# Altium PCB PCB1.PcbDoc
Units mil, origin at the board's own origin, x right, y up, seen from the top; angles counter-clockwise.
Board outline 2698.82 x 2101.51 mil, 2 copper layers (Top Layer, Bottom Layer), stack 61.756 mil thick; 33 components, 52 nets, 193 pads, 397 vias.
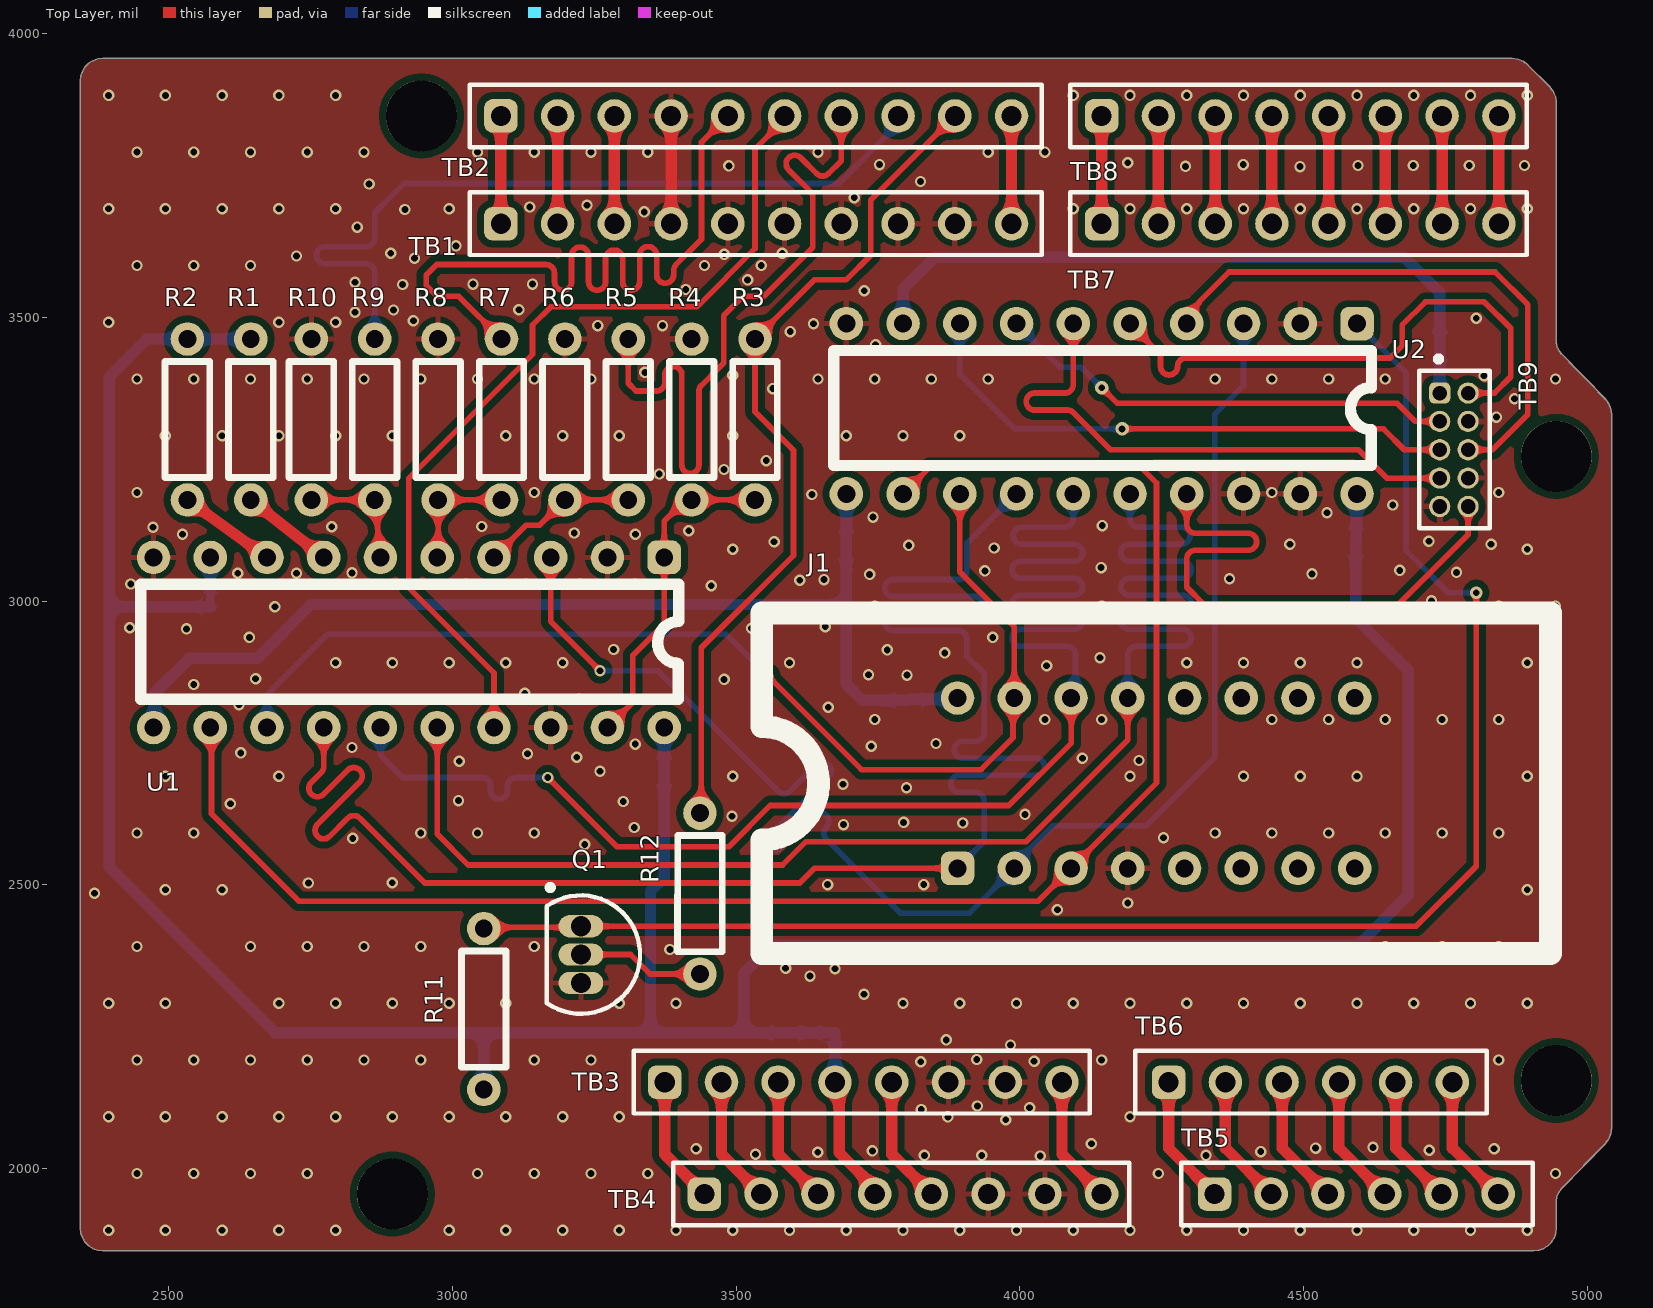
[diagram p0: Top Layer view]
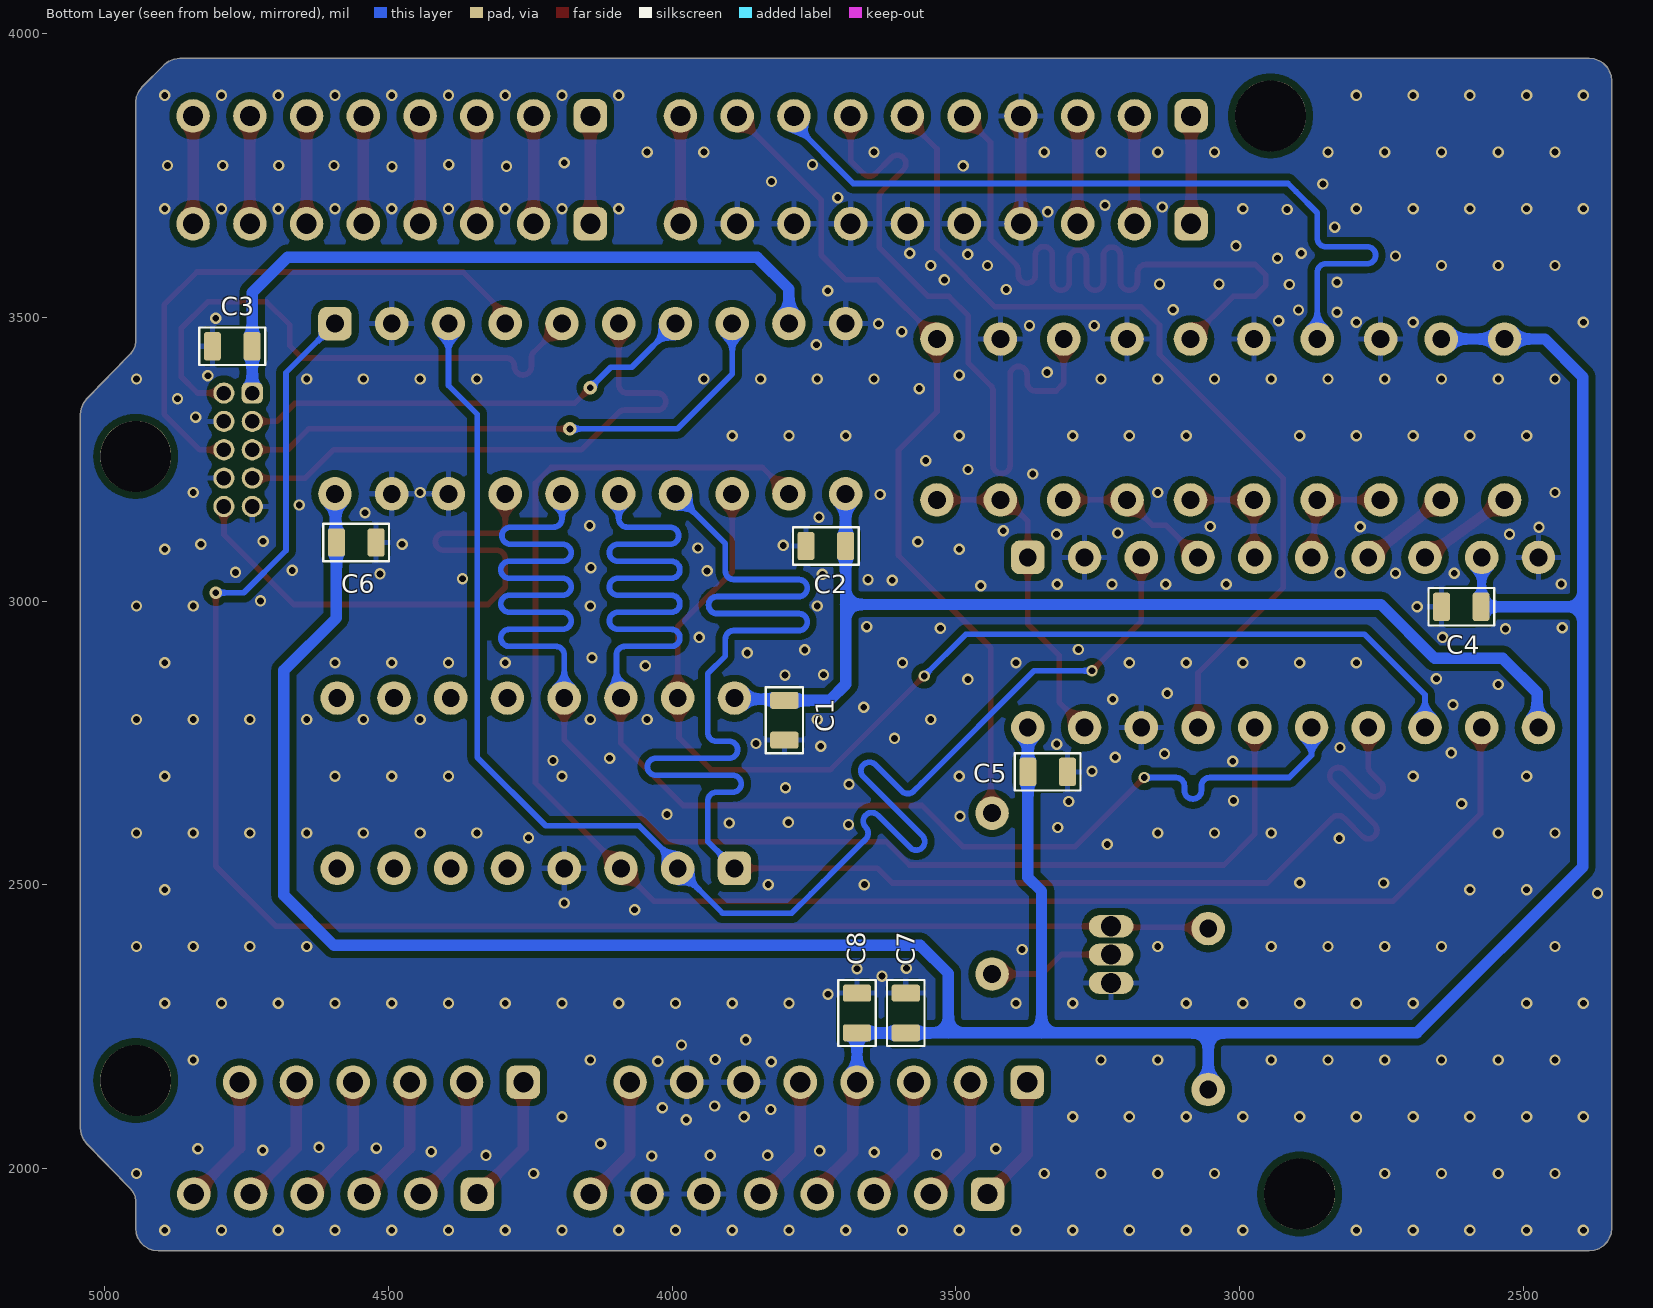
[diagram p1: Bottom Layer view, seen from below]
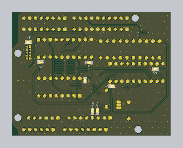
[diagram p2: 3D render of the assembled board from below, using the file's embedded part models]

## Layer stack, top to bottom
Stack1 Top Coverlay: solder mask 1, SM-001, Dk 4
Stack1 Top Coverlay: solder mask 0.4724, FC-001, Dk 4
Top Layer: signal copper 1.3779
Dielectric 1: core 59, Core-043, Dk 4.3
Bottom Layer: signal copper 1.3779
Bottom Solder: solder mask 0.4724, FC-001, Dk 4
Bottom Solder: solder mask 1, SM-001, Dk 4

## Board outline
2383.37,1855 4905.81,1855 4914.57,1855.99 4922.89,1858.9 4930.36,1863.59 4936.59,1869.82 4941.28,1877.29 4944.19,1885.61 4945.18,1894.37 4945.18,1942.17 4946.22,1950.2 4949.28,1957.7 4954.14,1964.18 5031.62,2043.53 5037.7,2051.62 5041.52,2060.99 5042.82,2071.03 5042.82,3328.97 5041.52,3339.01 5037.7,3348.38 5031.62,3356.47 4954.14,3435.82 4949.28,3442.3 4946.22,3449.8 4945.18,3457.83 4945.18,3878.6 4943.84,3888.79 4939.91,3898.29 4933.65,3906.44 4895.11,3944.98 4886.95,3951.24 4877.46,3955.17 4867.27,3956.51 2383.37,3956.51 2374.61,3955.53 2366.29,3952.62 2358.82,3947.93 2352.59,3941.69 2347.9,3934.23 2344.99,3925.9 2344,3917.14 2344,1894.37 2344.99,1885.61 2347.9,1877.29 2352.59,1869.82 2358.82,1863.59 2366.29,1858.9 2374.61,1855.99

## Design rules (kind name [scope] priority, off if disabled: settings)
Clearance [All] p1: gap=12 ignorepadtopadclearanceinfootprint=FALSE except(10: SMDPad-THPad THPad-THPad)
FabricationTestPointUsage TestPointUsage [All] p1: valid=0 allowmultiple=FALSE
FabricationTestpoint Testpoint [All] p1: side=3 testpointundercomponent=TRUE minsize=40 maxsize=100 preferedsize=60 minholesize=0 maxholesize=40 preferedholesize=32 testpointgrid=1 allowsidetop=TRUE allowsidebottom=TRUE usegrid=TRUE gridtolerance=0.01
MatchedLengths MatchedLengths_SPI_INPUT [InxSignalClass('SPI_INPUT')] p1: tolerance=1 checknetsindiffpair=FALSE checkdiffpairvsdiffpair=TRUE checkxsignals=TRUE checkothers=TRUE
MatchedLengths MatchedLengths_SPI_ZIP [InNetClass('SPI_ZIP')] p2: tolerance=1 checknetsindiffpair=FALSE checkdiffpairvsdiffpair=TRUE checkxsignals=TRUE checkothers=TRUE
PolygonConnect [All] p1: thpad.connectstyle=Relief thpad.reliefconductorwidth=10 thpad.reliefentries=4 thpad.polygonreliefangle="90 Angle" thpad.airgapwidth=10 smdpad.connectstyle=Relief smdpad.reliefconductorwidth=10 smdpad.reliefentries=4 smdpad.polygonreliefangle="90 Angle" smdpad.airgapwidth=10 via.connectstyle=Direct via.reliefconductorwidth=10 via.reliefentries=4 via.polygonreliefangle="90 Angle" via.airgapwidth=10
RoutingVias [All] p1: holewidth=12 width=20 viastyle="Through Hole" minholewidth=8 minwidth=16 maxholewidth=12 maxwidth=20
SilkToSolderMaskClearance SilkscreenOverComponentPads [IsPad] p1: minsilkscreentomaskgap=10 clearancetoexposedcopper=TRUE
SolderMaskExpansion [All] p1: expansion=4 istentingtop=FALSE
Width [All] p1: maxlimit=19.68 minlimit=10 preferedwidth=10
27 further rules are at their usual default settings.

## Classes and differential pairs
net class SPI_ZIP: CS_ZIP MISO_ZIP MOSI_ZIP SCK_ZIP
net class SPI_OUT: CS_OUT MISO_OUT MOSI_OUT SCK_OUT

## Components (designator, comment, footprint, x,y, rotation, side; value= is the part's Value field where it differs from the comment)
C1 "CL21B475KOFNFNE" 0805_CAP_H1.4MM 3802,2790 r90 bottom value="4.7µF ±10% 16VDC X7R"
C2 "CL21B475KOFNFNE" 0805_CAP_H1.4mm 3729,3097 r180 bottom value="4.7µF ±10% 16VDC X7R"
C3 "CL21B475KOFNFNE" 0805_CAP_H1.4MM 4775,3449 r180 bottom value="4.7µF ±10% 16VDC X7R"
C4 "CL21B475KOFNFNE" 0805_CAP_H1.4mm 2609.02,2989.93 r180 bottom value="4.7µF ±10% 16VDC X7R"
C5 "CL21B475KOFNFNE" 0805_CAP_H1.4MM 3338,2699 r0 bottom value="4.7µF ±10% 16VDC X7R"
C6 "CL21B475KOFNFNE" 0805_CAP_H1.4MM 4556.62,3103.26 r0 bottom value="4.7µF ±10% 16VDC X7R"
C7 "CL21B475KOFNFNE" 0805_CAP_H1.4MM 3588,2274 r270 bottom value="4.7µF ±10% 16VDC X7R"
C8 "CL21B475KOFNFNE" 0805_CAP_H1.4MM 3673.99,2274 r270 bottom value="4.7µF ±10% 16VDC X7R"
J1 "ZIP DIP 16" DIP-16 4240,2679 r90 top locked
Q1 "BS170" TO-226-AA 3226.19,2376.99 r180 top
R1 "DRAFT" RES-DIP 2644.4,3320 r90 top value="100Ω ±5% 1/10W TKF ±100ppm/°C"
R2 "DRAFT" RES-DIP 2532.7,3320 r90 top value="100Ω ±5% 1/10W TKF ±100ppm/°C"
R3 "DRAFT" RES-DIP 3533.07,3320 r90 top value="?kΩ ±5% 1/10W TKF ±100ppm/°C"
R4 "DRAFT" RES-DIP 3421.37,3320 r270 top value="?kΩ ±5% 1/10W TKF ±100ppm/°C"
R5 "DRAFT" RES-DIP 3309.67,3320 r90 top value="?kΩ ±5% 1/10W TKF ±100ppm/°C"
R6 "DRAFT" RES-DIP 3197.97,3320 r270 top value="?kΩ ±5% 1/10W TKF ±100ppm/°C"
R7 "DRAFT" RES-DIP 3086.27,3320 r90 top value="?kΩ ±5% 1/10W TKF ±100ppm/°C"
R8 "DRAFT" RES-DIP 2974.57,3320 r270 top value="?kΩ ±5% 1/10W TKF ±100ppm/°C"
R9 "DRAFT" RES-DIP 2862.87,3320 r90 top value="?kΩ ±5% 1/10W TKF ±100ppm/°C"
R10 "DRAFT" RES-DIP 2751.17,3320 r270 top value="?kΩ ±5% 1/10W TKF ±100ppm/°C"
R11 "DRAFT" RES-DIP 3055,2281 r270 top value="?kΩ ±5% 1/10W TKF ±100ppm/°C"
R12 "DRAFT" RES-DIP 3436,2484.47 r270 top value="?kΩ ±5% 1/10W TKF ±100ppm/°C"
TB1 "TSM-106-01-L-SV" SW10 3385.18,3665 r0 top locked value="6X1P 2.54mm"
TB2 "TSM-106-01-L-SV" SW10 3385.18,3855 r0 top locked value="6X1P 2.54mm"
TB3 "TSM-106-01-L-SV" SW8 3674,2152 r0 top locked value="6X1P 2.54mm"
TB4 "TSM-106-01-L-SV" SW8 3744,1955 r0 top value="6X1P 2.54mm"
TB5 "TSM-106-01-L-SV" SW6 4642.85,1955 r0 top locked value="6X1P 2.54mm"
TB6 "TSM-106-01-L-SV" SW6 4562,2152 r0 top value="6X1P 2.54mm"
TB7 "TSM-106-01-L-SV" SW8 4444,3665 r0 top locked value="6X1P 2.54mm"
TB8 "TSM-106-01-L-SV" SW8 4444,3855 r0 top locked value="6X1P 2.54mm"
TB9 "TSM" SW10X2_1.27 4764.74,3266.66 r270 top value="5X2P 1.27mm"
U1 "74HC541" CDIP-20 2923,2927 r270 top
U2 "74HC541" CDIP-20 4144,3339 r270 top

## Footprints (in the part's own frame and the unit in brackets; to place one, negate y for a bottom-side part, rotate by r counter-clockwise, add the part's x,y. Pads: shape width x height; smd on the part's side, far side on the other; paste and mask are expansions set on the pad)
0805_CAP_H1.4MM [mil] "(2.0mm L x 1.125mm W x 1.4mm H) 0.079\" L x 0.049\" W"
  rrect30% 30x50 smd paste-20: 1(-35,0) 2(35,0)
  rrect30% 16x46 on Bottom Paste paste-2: ""(-40,0) ""(40,0)
  Top Layer pour cut-out: -27,-37 -27,37 27,37 27,-37
  silkscreen extent -58,-33 58,33, body extent -39,-25 39,25, height 49
0805_CAP_H1.4mm [mil] "(2.0mm L x 1.125mm W x 1.4mm H) 0.079\" L x 0.049\" W"
  rrect30% 30x50 smd paste-20: 1(-35,0) 2(35,0)
  rrect30% 16x46 on Bottom Paste paste-2: ""(-40,0) ""(40,0)
  Top Layer pour cut-out: -27,-37 -27,37 27,37 27,-37
  silkscreen extent -58,-33 58,33, body extent -39,-25 39,25, height 49
CDIP-20 [mm] "CDIP-20"
  rrect50% 1.5x1.5 hole 0.8: 1(-3.81,11.43)
  round 1.5 hole 0.8: 2(-3.81,8.89) 3(-3.81,6.35) 4(-3.81,3.81) 5(-3.81,1.27) 6(-3.81,-1.27) 7(-3.81,-3.81) 8(-3.81,-6.35) 9(-3.81,-8.89) 10(-3.81,-11.43) 11(3.81,-11.43) 12(3.81,-8.89) 13(3.81,-6.35) 14(3.81,-3.81) 15(3.81,-1.27) 16(3.81,1.27) 17(3.81,3.81) 18(3.81,6.35) 19(3.81,8.89) 20(3.81,11.43)
  silkscreen extent -2.61,-12 2.54,12.08
DIP-16 [mm] "CDIP-16"
  rrect50% 1.5x1.5 hole 0.8: 1(-3.81,8.89)
  round 1.5 hole 0.8: 2(-3.81,6.35) 3(-3.81,3.81) 4(-3.81,1.27) 5(-3.81,-1.27) 6(-3.81,-3.81) 7(-3.81,-6.35) 8(-3.81,-8.89) 9(3.81,-8.89) 10(3.81,-6.35) 11(3.81,-3.81) 12(3.81,-1.27) 13(3.81,1.27) 14(3.81,3.81) 15(3.81,6.35) 16(3.81,8.89)
  silkscreen extent -7.62,-17.65 7.62,17.65
RES-DIP [mm] "RES-DIP"
  round 1.5 hole 0.8 paste+0: 1(-3.6,0)
  round 1.5 hole 0.8: 2(3.6,0)
  silkscreen extent -2.6,-1 2.6,1
SW6 [mm]
  rrect50% 1.5x1.5 hole 0.9: 1(-7.62,0)
  round 1.5 hole 0.9: 2(-5.08,0) 3(-2.54,0) 4(0,0) 5(2.54,0) 6(5.08,0)
  silkscreen extent -9.12,-1.4 6.63,1.4
SW8 [mm]
  rrect50% 1.5x1.5 hole 0.9: 1(-7.62,0)
  round 1.5 hole 0.9: 2(-5.08,0) 3(-2.54,0) 4(0,0) 5(2.54,0) 6(5.08,0) 7(7.62,0) 8(10.16,0)
  silkscreen extent -9.02,-1.4 11.4,1.4
SW10 [mm]
  rrect50% 1.5x1.5 hole 0.9: 1(-7.62,0)
  round 1.5 hole 0.9: 2(-5.08,0) 3(-2.54,0) 4(0,0) 5(2.54,0) 6(5.08,0) 7(7.62,0) 8(10.16,0) 9(12.7,0) 10(15.24,0)
  silkscreen extent -9.02,-1.4 16.59,1.4
SW10X2_1.27 [mm]
  rrect50% 0.95x0.95 hole 0.65: 1(-2.54,-0.635)
  round 0.95 hole 0.65: 2(-1.27,-0.635) 3(0,-0.635) 4(1.27,-0.635) 5(2.54,-0.635) 6(2.54,0.635) 7(1.27,0.635) 8(0,0.635) 9(-1.27,0.635) 10(-2.54,0.635)
  silkscreen extent -4.19,-1.55 3.51,1.6
TO-226-AA [mm]
  oval 2x1 hole 0.9: 1(0,-1.27) 2(0,0) 3(0,1.27)
  silkscreen extent -2.65,-3.13 1.52,2.65, body extent -2.65,-2.66 1.52,2.66, height 5.33

## Part data
C1 C2 C3 C4 C5 C6 C7 C8: "CAP CER 0805  / 4.7µF ±10% 25V X7R", Manufacturer=SAMSUNG, Operating Temperature="-55°C to +125°C", Package / Case Code=0805, Category="CAP CER", ComponentLink5Description="Product Search", ComponentLink5URL=http://www.samsungsem.com/global/support/product-search/index.jsp, Environmental="RoHS Compliant", Manufacturer Part Number=CL21B475KOFNFNE, Mounting Type=SMT, Packaging=Tape&Reel, Size / Dimension="0.079\" L x 0.049\" W (2.00mm x 1.25mm)", Thickness (Max)="0.053\" (1.35mm)"
J1: "3M™ Textool™.100” (2.54 mm) DIP Sockets / ZIP DIP", Manufacturer=TI, Operating Temperature="-40°C to +105°C", Base Part Number="ZIP DIP 16", Category=IC, ComponentLink1Description="Product Page", ComponentLink1URL=https://www.microchip.com/wwwproducts/en/ATmega328PB, ComponentLink2Description=DataSheet, ComponentLink2URL=http://ww1.microchip.com/downloads/en/DeviceDoc/40001906C.pdf, Environmental="RoHS Compliant", Manufacturer Base Part Number="ZIP DIP 16", Manufacturer Part Number="ZIP DIP 16", Mounting Type=DIP, Packaging=Tray
Q1: "MOSFET N-Channel"
R1 R2 R3 R4 R5 R6 R7 R8 R9 R10 R11 R12: library part "Res DIP", "RES DRAFT DIP", Operating Temperature="-55°C to +155°C", Package / Case Code=DIP, Package QTY=5000PCS, Category=RES, ComponentLink1Description=DataSheet, Environmental="RoHS Compliant", Height - Seated (Max)=?, Manufacturer=DRAFT, Manufacturer Part Number=DRAFT, Mounting Type=SMT, Packaging="Tape&Reel Ø7inch (180mm)", Size / Dimension="0.063\" L x 0.032\" W (1.60mm x 0.80mm)"
TB1 TB2: library part SW-10, "TERMINAL STRIP  / 2.54mm 6X1P  / SMD Vertical", Manufacturer=Samtec, Package / Case Code="6-DIP, Vertical", Category="TERMINAL STRIP", ComponentLink1Description="Product Page", ComponentLink1URL=https://www.samtec.com/products/tsm-106-01-l-sv, Environmental="RoHS Compliant", Manufacturer Part Number=TSM-106-01-L-SV, Mounting Type=SMT, Packaging=Tape&Reel
TB3 TB4 TB7 TB8: library part SW-8, "TERMINAL STRIP  / 2.54mm 6X1P  / SMD Vertical", Manufacturer=Samtec, Package / Case Code="6-DIP, Vertical", Category="TERMINAL STRIP", ComponentLink1Description="Product Page", ComponentLink1URL=https://www.samtec.com/products/tsm-106-01-l-sv, Environmental="RoHS Compliant", Manufacturer Part Number=TSM-106-01-L-SV, Mounting Type=SMT, Packaging=Tape&Reel
TB5 TB6: library part SW-6, "TERMINAL STRIP  / 2.54mm 6X1P  / SMD Vertical", Manufacturer=Samtec, Package / Case Code="6-DIP, Vertical", Category="TERMINAL STRIP", ComponentLink1Description="Product Page", ComponentLink1URL=https://www.samtec.com/products/tsm-106-01-l-sv, Environmental="RoHS Compliant", Manufacturer Part Number=TSM-106-01-L-SV, Mounting Type=SMT, Packaging=Tape&Reel
TB9: library part TSM-1, "TERMINAL STRIP  / 1.27mm 5X2P  / DIP Vertical", Manufacturer=Samtec, Package / Case Code="10-DIP, Vertical", Category="TERMINAL STRIP", ComponentLink1Description="Product Page", ComponentLink1URL=https://www.samtec.com/products/tsm-105-01-l-dv, Environmental="RoHS Compliant", Manufacturer Part Number=TSM, Mounting Type=DIP, Packaging=Tape&Reel
U1 U2: "DIP-20", Manufacturer=TI, Operating Temperature="-40°C to +105°C", Base Part Number=74HC541, Category=IC, ComponentLink1Description="Product Page", ComponentLink1URL=https://www.microchip.com/wwwproducts/en/ATmega328PB, ComponentLink2Description=DataSheet, ComponentLink2URL=http://ww1.microchip.com/downloads/en/DeviceDoc/40001906C.pdf, Environmental="RoHS Compliant", Manufacturer Base Part Number=74HC541, Manufacturer Part Number=74HC541, Mounting Type=DIP, Package / Case Code=DIP-20, Packaging=Tray

## Free pads (board coordinates)
  round 125 hole 125: ""(2894,1955) ""(2945.18,3855) ""(4945.18,2155) ""(4945.18,3255)

## Via types
v1: diameter 20, hole 12, Top Layer to Bottom Layer, tented both sides, 394 vias
v2: diameter 24, hole 12, Top Layer to Bottom Layer, tented both sides, 2 vias
v3: diameter 22, hole 12, Top Layer to Bottom Layer, tented both sides, 1 vias

## Nets (pads, with @x,y where several pads share a name; then routed paths per layer and width w, separated by ;. In a path a pad name is that pad's centre, name@x,y a point inside that pad or via, vN(x,y) a via of type N, cw(c..) or ccw(c..) an arc to the next point about the centre after c; other vN are vias at no path point)
+3.3V: C4.2 C5.2 C6.2 C7.2 C8.2 R1.2 R2.2 R11.2 TB3.4 TB4.4 U1.9 U1.20 U2.20 | length 5860.6
  Top Layer w20: TB3.4 3681.33,2144.67 3681.33,2028.04 3744,1965.37 TB4.4
  Bottom Layer w15: C4.2@2573,2989.93 U1.9
  Bottom Layer w19.68: 2461.73,3461.73 2395,3395 2395,2989.93 ; C4.2 2573,2989.93 2395,2989.93 ; 2687.59,2239 2395,2531.59 2395,2989.93
  Bottom Layer w20: 2461.73,3461.73 R2.2 R1.2 2640,3457.33 R1.2@2640,3449.91 ; 2687.59,2239 3055,2239 ; R11.2 3055,2239 ; U1.20 C5.2 3373,2513 3348.8,2488.8 3348.8,2239 ; TB3.4 C8.2 C7.2 3513,2239 ; U2.20 4592.81,3187.81 4592.81,3104.45 C6.2 4591.62,2970.38 4684,2878 4684,2481.47 4595.73,2393.2 3562.65,2393.2 3513,2343.55 3513,2239 ; 3055,2239 3348.8,2239 ; 3348.8,2239 3513,2239
CONTROL: R3.2 R12.1 TB2.9 | length 1528.5
  Top Layer w10: R12.1@3436,2638.44 R12.1 3438.32,2628.53 3438.32,2917.61 3601,3080.29 3601,3265.75 3533.07,3333.68 R3.2 3637.34,3566 3693.53,3566 3737,3609.47 3737,3706.82 TB2.9
  Bottom Layer w10: R12.1 R12.1@3436,2638.44
CS: R9.2 TB2.8 | length 1404.1
  Bottom Layer w10: R9.2 2862.87,3559.49 2862.87,3579.49 ccw(c2847.87,3579.49) 2847.87,3594.49 2774.97,3594.49 cw(c2774.97,3609.49) 2759.97,3609.49 cw(c2774.97,3609.49) 2774.97,3624.49 2847.87,3624.49 ccw(c2847.87,3639.49) 2862.87,3639.49 2862.87,3654.49 2862.87,3684.4 2862.96,3684.49 2900.36,3721.89 2914.47,3736 3680.5,3736 3785.18,3840.68 TB2.8
CS_OUT: TB9.4 U2.6 | length 994
  Top Layer w10: U2.6 4094,3460.29 4094,3432.53 4094,3396.59 4094,3381.59 cw(c4079,3381.59) 4079,3366.59 4025.95,3366.59 ccw(c4025.95,3351.59) 4010.95,3351.59 ccw(c4025.95,3351.59) 4025.95,3336.59 4083.52,3336.59 cw(c4083.52,3321.59) 4094.13,3332.19 4095.24,3331.08 4096.99,3329.33 4124.74,3301.59 4159.67,3266.66 4596.36,3266.66 4646.36,3216.66 TB9.4
CS_ZIP: J1.1 U1.14 U2.14 | length 3290.6
  Top Layer w10: U1.14 2773,2754.57 2773,2708.6 cw(c2758,2708.6) 2768.61,2698 2751.3,2680.69 ccw(c2761.91,2670.09) 2751.3,2659.48 ccw(c2761.91,2670.09) 2772.52,2659.48 2815.21,2702.17 cw(c2825.82,2691.57) 2836.42,2702.17 cw(c2825.82,2691.57) 2836.42,2680.96 2762.02,2606.55 ccw(c2772.62,2595.95) 2762.02,2585.34 ccw(c2772.62,2595.95) 2783.23,2585.34 2815.34,2617.45 cw(c2825.94,2606.84) 2836.55,2617.45 2847.16,2606.84 2850.69,2603.31 2951,2503 3612,2503 3638,2529 J1.1
  Bottom Layer w10: J1.1 3937,2576 3937,2628 3937,2648 ccw(c3922,2648) 3922,2663 3893.04,2663 cw(c3893.04,2678) 3878.04,2678 cw(c3893.04,2678) 3893.04,2693 4028.43,2693 ccw(c4028.43,2708) 4043.43,2708 ccw(c4028.43,2708) 4028.43,2723 3899.32,2723 cw(c3899.32,2738) 3884.32,2738 cw(c3899.32,2738) 3899.32,2753 3922,2753 ccw(c3922,2768) 3937,2768 3937,2790.56 3937,2872.47 3906.06,2903.41 3906.06,2913 3906.06,2933 ccw(c3891.06,2933) 3891.06,2948 3776.71,2948 cw(c3776.71,2963) 3761.71,2963 cw(c3776.71,2963) 3776.71,2978 3920.62,2978 ccw(c3920.62,2993) 3935.62,2993 ccw(c3920.62,2993) 3920.62,3008 3776.71,3008 cw(c3776.71,3023) 3761.71,3023 cw(c3776.71,3023) 3776.71,3038 3891.06,3038 ccw(c3891.06,3053) 3906.06,3053 3906.06,3099.44 3906.06,3101.07 U2.14
GND: C1.1 C2.1 C3.1 C4.1 C5.1 C6.1 C7.1 C8.1 J1.4 Q1.3 R4.1 R6.1 R8.1 R10.1 TB1.4 TB1.5 TB1.6 TB1.7 TB1.8 TB1.9 TB2.4 TB3.6 TB3.7 TB4.6 TB4.7 TB9.5 TB9.7 TB9.9 U1.2 U1.10 U1.18 U2.2 U2.10 U2.18 U2.19 | length 190
  Top Layer w20: TB1.4 TB2.4
  other v1: 2393.93,1891.26 2493.93,1891.26 2593.93,1891.26 2693.93,1891.26 2793.93,1891.26 2993.93,1891.26 3093.93,1891.26 3193.93,1891.26 3293.93,1891.26 3393.93,1891.26 3493.93,1891.26 3593.93,1891.26 3693.93,1891.26 3793.93,1891.26 3893.93,1891.26 3993.93,1891.26 4093.93,1891.26 4193.93,1891.26 4293.93,1891.26 4393.93,1891.26 4493.93,1891.26 4593.93,1891.26 4693.93,1891.26 4793.93,1891.26 4893.93,1891.26 2443.93,1991.26 2543.93,1991.26 2643.93,1991.26 2743.93,1991.26 3043.93,1991.26 3143.93,1991.26 3243.93,1991.26 3343.93,1991.26 4243.93,1991.26 4943.93,1991.26 4035.63,2021.94 3831.51,2023.12 3932.59,2023.12 4327.98,2023.14 3533.96,2025 3643.63,2028.58 4424.35,2029.76 3739.98,2030.95 4721.45,2032.17 3429.23,2034.62 4835.64,2034.62 4521.09,2035.85 4622.08,2037.15 4125.94,2043.53 3975,2086 2393.93,2091.26 2493.93,2091.26 2593.93,2091.26 2693.93,2091.26 2793.93,2091.26 2893.93,2091.26 2993.93,2091.26 3093.93,2091.26 3193.93,2091.26 3293.93,2091.26 3873,2091 4193.93,2091.26 3826,2104 4017,2107 3925,2110 3825,2188 4025,2189 2443.93,2191.26 2543.93,2191.26 2643.93,2191.26 2743.93,2191.26 2843.93,2191.26 2943.93,2191.26 3143.93,2191.26 3243.93,2191.26 4143.93,2191.26 4843.93,2191.26 3924,2192 3983.34,2217.5 3870.17,2226.7 2393.93,2291.26 2493.93,2291.26 2693.93,2291.26 2793.93,2291.26 2893.93,2291.26 2993.93,2291.26 3093.93,2291.26 3293.93,2291.26 3393.93,2291.26 3793.93,2291.26 3893.93,2291.26 3993.93,2291.26 4093.93,2291.26 4193.93,2291.26 4293.93,2291.26 4393.93,2291.26 4493.93,2291.26 4593.93,2291.26 4693.93,2291.26 4793.93,2291.26 4893.93,2291.26 3725,2307 3630,2339 3674,2352 3587,2353 3383,2386 2443.93,2391.26 2643.93,2391.26 2743.93,2391.26 2843.93,2391.26 2943.93,2391.26 3143.93,2391.26 4643.93,2391.26 4743.93,2391.26 4843.93,2391.26 4943.93,2391.26 4066,2456 4190,2468 2369,2485 2493.93,2491.26 2593.93,2491.26 4893.93,2491.26 3661.05,2500.26 3830.51,2500.26 2745.87,2503 2893.88,2503.46 3232.88,2571.21 2824.25,2581.69 4253,2583 2443.93,2591.26 2543.93,2591.26 2943.93,2591.26 3043.93,2591.26 3143.93,2591.26 4343.93,2591.26 4443.93,2591.26 4543.93,2591.26 4643.93,2591.26 4743.93,2591.26 4843.93,2591.26 4943.93,2591.26 3320.33,2600.97 3689,2606 3899,2609 3795,2610 3492.52,2620.87 4009,2624 2608.43,2642.96 3300.96,2646.84 3010.39,2648.27 3800,2671 3688,2677 2493.93,2691.26 2693.93,2691.26 3493.93,2691.26 4193.93,2691.26 4393.93,2691.26 4493.93,2691.26 4593.93,2691.26 4893.93,2691.26 3259.87,2700.23 3011.98,2717.82 4209.77,2719 4110,2723 3218.85,2724.73 3132,2730.9 2626.85,2732.45 2822.75,2742 3738,2744 3322.02,2747.84 3852,2749 3608,2758 3543.93,2791.26 3743.93,2791.26 4043.93,2791.26 4143.93,2791.26 4443.93,2791.26 4543.93,2791.26 4643.93,2791.26 4743.93,2791.26 4843.93,2791.26 4943.93,2791.26 3662,2813 2623.52,2817.13 3223.38,2827 3127.33,2837.3 2544,2853 3478.61,2861.95 2653,2863 3800.93,2869.55 3733,2870 4047,2886 2793.93,2891.26 2893.93,2891.26 2993.93,2891.26 3093.93,2891.26 3193.93,2891.26 3393.93,2891.26 3593.93,2891.26 4293.93,2891.26 4393.93,2891.26 4493.93,2891.26 4593.93,2891.26 4893.93,2891.26 4141,2900 3867.3,2908.69 3283.88,2914.56 3766,2914 2642,2936 3952,2936 2531,2951 3527,2952 2431,2953 3657,2955 2686.96,2989.93 3743.93,2991.26 4143.93,2991.26 4843.93,2991.26 4943.93,2991.26 4725.38,3000.37 3456,3027 3023.18,3029.65 3129.74,3029.65 3224.67,3029.65 3321.07,3029.65 2433,3030 3611.88,3036.69 3654.53,3037.8 4369.23,3039.46 3735,3047 4514.63,3047.85 2621.46,3049.04 2725.04,3049.04 2822.75,3049.62 4769.33,3050.52 3938.17,3053.14 4669.29,3054.06 4143,3059 3493.93,3091.26 4893.93,3091.26 3954.38,3093.52 3804,3098.17 4475.74,3100.21 4830.34,3100.13 3566.74,3104.45 4720.62,3105.57 2524.17,3117.6 3322.24,3117.6 3214.46,3120 3416.21,3124.02 2472,3130 2787,3131 3051.38,3131.42 4145,3133 3741,3148 4541.12,3155.56 4657.1,3169.24 3633.22,3187.81 2443.93,3191.26 3143.93,3191.26 4443.93,3191.26 4843.93,3191.26 3364.3,3224.04 3478.32,3231.87 3552.79,3247.56 2493.93,3291.26 2593.93,3291.26 2693.93,3291.26 2793.93,3291.26 2893.93,3291.26 3093.93,3291.26 3193.93,3291.26 3293.93,3291.26 3493.93,3291.26 3693.93,3291.26 3793.93,3291.26 3893.93,3291.26 4839.62,3324.13 4871.67,3356.47 3564.41,3374.43 2443.93,3391.26 2543.93,3391.26 2643.93,3391.26 2743.93,3391.26 2843.93,3391.26 2943.93,3391.26 3043.93,3391.26 3143.93,3391.26 3243.93,3391.26 3643.93,3391.26 3743.93,3391.26 3843.93,3391.26 3943.93,3391.26 4343.93,3391.26 4443.93,3391.26 4543.93,3391.26 4643.93,3391.26 4943.93,3391.26 4818,3397.02 3493.7,3398.19 3339,3403 3745.66,3451.6 3595.09,3474.8 3255.9,3485.38 3369.99,3485.38 3636.23,3488.8 2393.93,3491.26 2693.93,3491.26 2793.93,3491.26 2931,3494 4804.21,3498.39 2828,3509 2896,3513 3116.89,3513.44 3725.73,3546.84 3411,3549 2912,3558 3036.16,3558.59 3141,3558.59 2828,3562 3520,3566 2443.93,3591.26 2543.93,3591.26 2643.93,3591.26 3443.93,3591.26 3543.93,3591.26 2933,3604 2725,3608 3479,3611 2891,3613 3581,3613 3006,3626 2832,3659 3337.73,3685.88 2916,3690 2393.93,3691.26 2493.93,3691.26 2593.93,3691.26 2693.93,3691.26 2793.93,3691.26 2993.93,3691.26 4093.93,3691.26 4193.93,3691.26 4293.93,3691.26 4393.93,3691.26 4493.93,3691.26 4593.93,3691.26 4693.93,3691.26 4793.93,3691.26 4893.93,3691.26 3136.16,3694.46 3236.91,3697.71 3708,3711 2853,3735 3824.62,3739.35 4493.62,3765.65 4291.81,3766.07 3487,3767 4595.81,3767.5 4693.14,3767.5 4791.76,3767.5 4889.16,3767.5 3752.46,3769.2 4393.62,3769.2 4190,3772.34 2443.93,3791.26 2543.93,3791.26 2643.93,3791.26 2743.93,3791.26 2843.93,3791.26 3043.93,3791.26 3143.93,3791.26 3243.93,3791.26 3343.93,3791.26 3643.93,3791.26 3943.93,3791.26 4043.93,3791.26 2393.93,3891.26 2493.93,3891.26 2593.93,3891.26 2693.93,3891.26 2793.93,3891.26 4093.93,3891.26 4193.93,3891.26 4293.93,3891.26 4393.93,3891.26 4493.93,3891.26 4593.93,3891.26 4693.93,3891.26 4793.93,3891.26 4893.93,3891.26
HOLD: R1.1 U1.7 | length 163.7